# Allegro board fscvmotherboardv2.brd (continued)
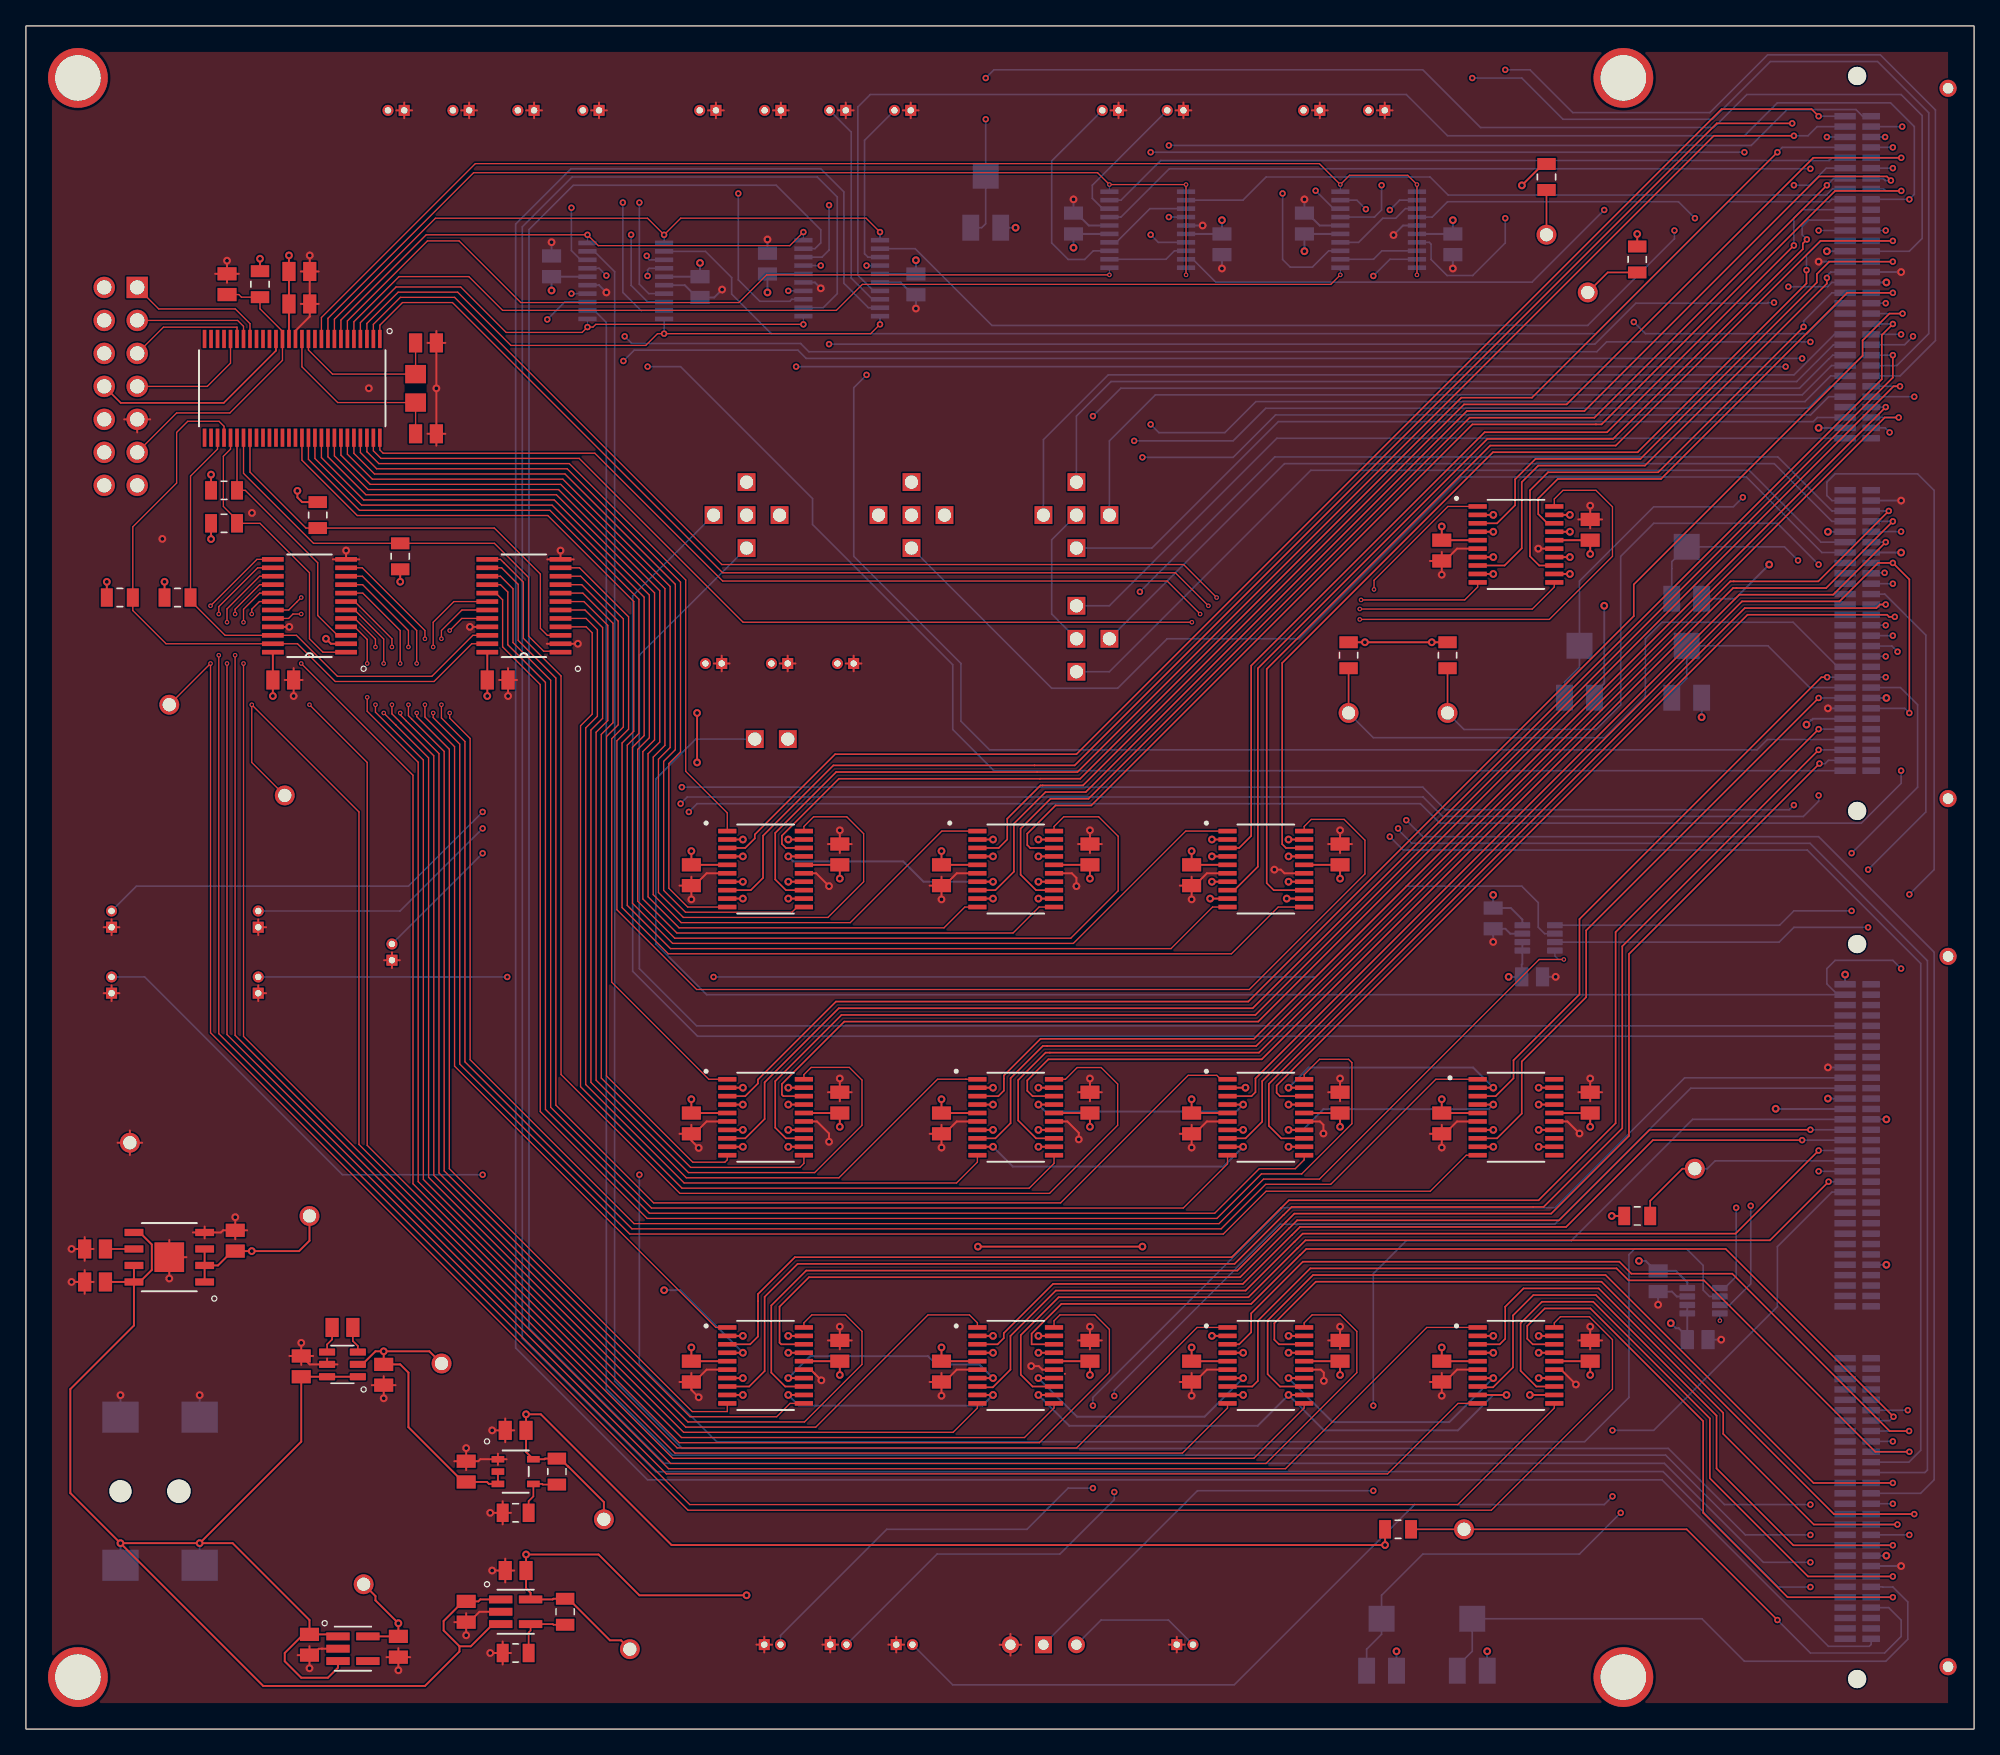
[diagram p0: board, top side]
## Routing (per net, layer and track width the routed paths; a pad name or vN(x,y) marks a point on that pad's centre or on a via; arc(x,y) is an arc through that point) (continued)
VDD_12: length 73.9
  TOP w0.127: v3(137.1,112.35) 137.1,111.33 124.1,98.32 112.96,98.32 96.73,82.1 96.73,68.14 97.02,67.85 U12.18
  BOTTOM w0.127: v3(137.1,112.35) 137.1,113.5 138.19,114.6 J1.13
VDD_34: length 49.3
  TOP w0.127: U9.8 111.84,26.31 112.96,26.31 114.5,27.85 114.5,31.85 116.07,33.42 120.89,33.42 130.17,24.13 130.17,20.07 136.09,14.15 v3(143.75,14.15)
  BOTTOM w0.127: v3(143.75,14.15) J1.231
VDD_56: length 116.2
  TOP w0.127: U17.3 55.76,29.63 56.36,30.23 56.36,32.95 56.36,33.49 59.2,36.34 92.85,36.34 96.61,40.1 96.62,40.1 97.24,40.72 116.47,40.72 122.4,46.65 122.4,61.37 v3(138.03,77)
  BOTTOM w0.127: v3(138.03,77) J1.56
VDD_78: length 38.3
  TOP w0.127: U19.18 117.16,92.85 116.44,93.56 116.44,94.76 117.95,96.27 125.89,96.27 140.23,110.6 v3(143.75,110.6)
  BOTTOM w0.127: v3(143.75,110.6) J1.78
VDD_D: length 88.3
  TOP w0.127: v3(145.02,78.25) 145.02,88.53 v3(143.75,89.8) 142.6,89.8 139.64,86.84 132.13,86.84 95.19,49.89 95.19,46.77 93.9,45.49 U21.8
  BOTTOM w0.127: v3(145.02,78.25) 144.66,78.6 J1.114 ; v3(143.75,89.8) J1.100
VDD_IT: length 172.9
  POWER w0.127: v3(145.02,64.28) 144.38,63.64 v3(144.38,58.56)
  BOTTOM w0.127: v3(144.38,58.56) 143.75,59.2 139.31,59.2 138.67,58.56 138.67,57.38 139.5,56.55 ; J1.34 139.06,94.6 138.67,94.99 138.67,96.03 139.31,96.66 145.66,96.66 146.93,95.39 146.93,66.18 v3(145.02,64.28) ; 139.5,56.55 J1.122 ; 139.5,56.55 52.41,56.55 48.5,60.47 48.5,73.17 51.57,76.23 VDD_IT1.TP
CH_A_SEL: length 49.5
  TOP w0.1: v3(65.76,115.28) 64.69,116.35 50.42,116.35 v3(49.13,115.07) 47.86,116.34 31.53,116.34 23.75,108.57 U1.8
  BOTTOM w0.127: U20.1 v3(49.13,115.07) ; U18.1 v3(65.76,115.28)
CH_AB_COND_SEL: length 66
  TOP w0.1: U1.6 24.75,108.44 30.91,114.6 33.35,114.6 38.1,109.85 54.9,109.85 57.03,111.98 v1(83.42,111.98)
  BOTTOM w0.1: 83.42,112.53 v1(83.42,111.98)
CH_AB_SEL: length 81.3
  TOP w0.1: U1.9 23.25,108.63 34.47,119.85 82.51,119.85 v1(83.42,118.94) v1(89.33,118.94) v1(89.33,111.98)
  BOTTOM w0.1: U22.11 v1(89.33,118.94) ; 89.33,112.53 v1(89.33,111.98) ; U22.10 v1(83.42,118.94)
CH_B_SEL: length 45.8
  TOP w0.1: v3(65.76,108.17) 65.04,107.46 v3(49.13,107.46) 48.63,107.46 47.72,106.55 37.34,106.55 33.24,110.65 28.66,110.65 26.25,108.24 U1.3
  BOTTOM w0.127: U18.10 v3(65.76,108.17) ; U20.10 v3(49.13,107.46)
CH_C_SEL: length 41.8
  TOP w0.1: v3(59.86,115.28) 58.82,114.23 44.07,114.23 v3(43.23,115.07) 30.81,115.07 24.25,108.5 U1.7
  BOTTOM w0.1: v3(43.23,115.07) U20.20 ; v3(59.86,115.28) U18.20
CH_CD_COND_SEL: length 81.5
  TOP w0.1: v1(101.2,111.98) 100.47,111.25 64.4,111.25 62.4,109.25 36.7,109.25 34.1,111.85 28.73,111.85 25.25,108.37 U1.5
  BOTTOM w0.1: 101.2,112.53 v1(101.2,111.98)
CH_CD_SEL: length 100.8
  TOP w0.1: U1.10 22.75,108.7 34.6,120.55 99.59,120.55 v1(101.2,118.94) 101.92,119.65 106.39,119.65 v1(107.11,118.94) v1(107.11,111.98)
  BOTTOM w0.1: 107.11,112.53 v1(107.11,111.98) ; U23.10 v1(101.2,118.94) ; U23.11 v1(107.11,118.94)
CH_D_SEL: length 39.5
  TOP w0.1: v3(59.86,108.17) 43.87,108.17 43.66,107.96 v3(43.23,107.96) 42.82,107.55 36.97,107.55 33.47,111.05 28.49,111.05 25.75,108.31 U1.4
  BOTTOM w0.1: U20.11 v3(43.23,107.96) ; U18.11 v3(59.86,108.17)
CH_EN_1: length 79.2
  TOP w0.127: U12.8 93.04,64.6 94.86,66.41 94.86,81.68 112.53,99.35 122.2,99.35 136.82,113.97 136.82,114.4 v3(137.13,114.71)
  BOTTOM w0.127: v3(137.13,114.71) 136.76,115.08 136.76,115.71 137.26,116.2 J1.11
CH_EN_1_SEL: length 104.4
  TOP w0.1: U12.10 91.37,63.3 88.17,60.1 49.62,60.1 46.3,63.42 46.3,75.77 47.2,76.67 47.2,87 40.35,93.85 25.68,93.85 21.75,97.78 U1.45
CH_EN_2: length 110
  TOP w0.127: v3(138.03,124.2) 137.49,124.75 130.56,124.75 80.89,75.07 62.3,75.07 56.12,68.89 56.12,68.59 55.38,67.85 U16.3
  BOTTOM w0.127: v3(138.03,124.2) J1.1
CH_EN_2_SEL: length 50.4
  TOP w0.1: U16.1 54,70.55 50.8,73.75 50.8,88.49 41.84,97.45 27.17,97.45 26.25,98.37 U1.54
CH_EN_3: length 46.1
  TOP w0.127: U9.3 113.48,29.63 113.9,30.05 113.9,32.52 115.31,33.93 121.1,33.93 130.69,24.35 130.69,22.73 137.66,15.75 v3(144.1,15.75)
  BOTTOM w0.127: v3(144.1,15.75) J1.229
CH_EN_3_SEL: length 150.5
  TOP w0.1: U9.1 107.86,30.93 96.98,20.05 49.48,20.05 16.1,53.42 v1(16.1,82.69) ; U6.16 18,88.12 16.1,86.23 v1(16.1,85.87)
  POWER w0.1: v1(16.1,85.87) v1(16.1,82.69)
CH_EN_4: length 78.8
  TOP w0.127: U24.18 77.43,29.63 77.43,30.45 79.73,32.74 94.34,32.74 98.11,36.5 98.11,36.5 98.58,36.97 130.88,36.97 v3(143.8,24.05)
  BOTTOM w0.127: J1.219 143.5,23.75 v3(143.8,24.05)
CH_EN_4_SEL: length 117.9
  TOP w0.1: U6.4 25.31,84.88 26.28,83.91 v1(26.28,82.06) ; v1(26.28,79.45) 26.28,78.38 30.2,74.45 30.2,42.16 50.31,22.05 78.03,22.05 83.42,27.45 83.42,30.78 82.31,31.89 79.62,31.89 79.16,31.44 U24.20
  POWER w0.1: v1(26.28,82.06) v1(26.28,79.45)
CH_EN_5: length 117.9
  TOP w0.127: v3(138.03,75.4) 122.92,60.28 122.92,46.27 116.86,40.21 116.06,40.21 97.45,40.21 96.84,39.59 96.83,39.59 93.06,35.82 59.42,35.82 56.88,33.28 56.88,27.57 55.69,26.38 U17.8
  BOTTOM w0.127: v3(138.03,75.4) J1.58
CH_EN_5_SEL: length 79.4
  TOP w0.1: U6.10 25.91,88.78 30.08,84.6 v1(30.08,82.06) ; U17.10 54,24.45 51.3,24.45 32.6,43.15 32.6,75.45 30.08,77.97 v1(30.08,78.25)
  POWER w0.1: v1(30.08,82.06) v1(30.08,78.25)
CH_EN_6: length 93.2
  TOP w0.127: U13.18 77.33,67.85 77.1,68.08 77.1,68.95 79.28,71.13 82.03,71.13 111.37,100.47 120.89,100.47 121.32,100.47 139.3,118.45 v3(144.4,118.45)
  BOTTOM w0.127: J1.68 143.05,118.6 143.2,118.45 v3(144.4,118.45)
CH_EN_6_SEL: length 105.2
  TOP w0.1: U13.20 79.16,69.5 79.91,70.25 82.6,70.25 84.1,68.75 84.1,64.55 80.45,60.9 49.96,60.9 47.1,63.76 47.1,75.44 48,76.34 48,87.33 40.68,94.65 26.01,94.65 22.75,97.91 U1.47
CH_EN_7: length 120.2
  TOP w0.127: v3(144.5,109) 143.48,109 141.42,106.94 141.42,105.76 123.8,88.14 123.8,85.7 94.12,56.02 62.37,56.02 56.36,50.01 56.36,49.72 55.38,48.74 U15.3
  BOTTOM w0.127: v3(144.5,109) J1.80
CH_EN_7_SEL: length 46.5
  TOP w0.1: U4.10 42.71,88.78 46,85.48 46,77.16 45.1,76.26 45.1,57.52 52.58,50.04 U15.1
CH_EN_8: length 98.1
  TOP w0.127: U14.8 74.64,45.49 75.81,46.66 75.81,50.12 78.3,52.6 78.63,52.6 78.63,52.6 94.73,52.6 143.13,101 v3(144.2,101)
  BOTTOM w0.127: v3(144.2,101) J1.90
CH_EN_8_SEL: length 73.1
  TOP w0.1: U14.10 73.26,43.66 71.65,42.05 50.68,42.05 43.1,49.63 43.1,77.09 44,77.99 44,84.65 43.12,85.53 U4.5
CH_EN_D: length 93
  TOP w0.127: U14.13 77.78,45.49 76.4,46.86 76.4,49.98 78.51,52.09 78.84,52.09 78.84,52.09 94.94,52.09 131.23,88.38 131.5,88.38 138.01,88.38 v3(143.43,93.8)
  BOTTOM w0.127: v3(143.43,93.8) 143.43,93.8 J1.95
CH_EN_D_SEL: length 79.1
  TOP w0.1: U4.4 43.14,84.88 43.6,84.42 43.6,78.16 42.7,77.26 42.7,49.47 50.52,41.65 77.25,41.65 79.16,43.56 U14.11
CH_OUT_A: length 13.3
  BOTTOM w0.127: U18.3 64.83,113.35 64.57,113.61 64.57,122.34 J5.1
CH_OUT_B: length 16.5
  BOTTOM w0.127: J9.1 63.54,122.98 63.54,111.74 65.18,110.1 U18.8
CH_OUT_C: length 15
  POWER w0.127: v3(61.84,117.35) 61.84,119.69 J13.1
  BOTTOM w0.127: U18.18 61.3,113.35 61.84,113.89 v3(61.84,117.35)
CH_OUT_D: length 20
  POWER w0.127: v3(54.85,118.25) 54.85,121.68 J17.1
  BOTTOM w0.127: U18.13 58.97,110.1 58.82,109.95 56.5,109.95 54.85,111.6 v3(54.85,118.25)
CH_OUTPUT_1: length 80.2
  POWER w0.127: v3(126.93,115.4) v3(138.03,115.4)
  BOTTOM w0.127: v3(126.93,115.4) 126.93,114.77 120.25,108.09 74.38,108.09 68.47,114 U18.2 ; v3(138.03,115.4) J1.12
CH_OUTPUT_2: length 239.3
  BOTTOM w0.127: J1.240 142.07,6.51 141.93,6.37 138.79,6.37 125.97,19.19 47.86,19.19 37.7,29.35 37.7,115.89 41.97,120.16 61.2,120.16 62.98,118.37 62.98,111.33 64.87,109.45 U18.9
CH_OUTPUT_3: length 231
  POWER w0.127: v3(145.02,14.95) 145.02,14.11 143.12,12.21 138.03,12.21 v3(137.4,12.84)
  BOTTOM w0.127: v3(137.4,12.84) 133.77,12.84 126.15,20.46 49.13,20.46 38.73,30.86 38.73,115.47 42.15,118.89 57.77,118.89 61.2,115.45 61.2,114.45 60.75,114 U18.19 ; J1.230 v3(145.02,14.95)
CH_OUTPUT_4: length 254.2
  POWER w0.127: v3(137.4,10.94) 143.75,10.94 146.29,13.48 146.29,23.3 145.04,24.55 v3(144.9,24.55)
  BOTTOM w0.127: U18.12 61.38,109.45 62.47,110.54 62.47,117.98 60.93,119.52 42.06,119.52 38.22,115.68 38.22,30.11 48.5,19.83 126.06,19.83 134.95,10.94 v3(137.4,10.94) ; v3(144.9,24.55) J1.218
CH_OUTPUT_5: length 109.3
  POWER w0.127: v3(64.73,104.28) v3(64.73,112.7)
  BOTTOM w0.127: v3(64.73,112.7) U18.4 ; v3(64.73,104.28) 63.74,103.29 63.74,90.31 72,82.06 72,77.61 74.2,75.4 133.29,75.4 134.09,76.2 J1.57
CH_OUTPUT_6: length 108.7
  BOTTOM w0.127: U18.7 65.26,110.75 64.06,111.96 64.06,124.92 65.01,125.87 106.28,125.87 109.46,122.7 132.32,122.7 134.85,125.23 143.57,125.23 145.4,123.4 145.4,118.18 v3(145.02,117.8) J1.69
CH_OUTPUT_7: length 91.5
  POWER w0.127: v3(61.84,106.65) 61.84,112.06 v3(61.2,112.7) ; v3(134.6,109.85) 135.04,109.85 135.09,109.8 v3(143.2,109.8)
  BOTTOM w0.127: J1.79 v3(143.2,109.8) ; v3(134.6,109.85) 134.16,109.85 134.11,109.8 123.96,109.8 120.81,106.65 v3(61.84,106.65) ; v3(61.2,112.7) U18.17
CH_OUTPUT_8: length 95.1
  POWER w0.127: v3(135.5,104.92) 140.21,100.2 143.15,100.2 v3(143.5,99.85) ; v3(59.3,104.92) 58.7,105.52 v3(58.7,110.75)
  BOTTOM w0.127: v3(59.3,104.92) v3(135.5,104.92) ; U18.14 v3(58.7,110.75) ; v3(143.5,99.85) 143.15,100.2 J1.91
CM: length 88.3
  POWER w0.127: v3(103.75,18.35) v3(103.75,24.91)
  BOTTOM w0.127: v3(103.75,18.35) 90.2,18.35 SW1.1 ; J1.134 128.33,46.95 118.98,37.61 106.28,37.61 103.75,35.07 v3(103.75,24.91)
CM_EXT: length 10.5
  BOTTOM w0.127: J22.1 87.96,8.4 82.79,8.4 SW1.2
COND_EN_1: length 90.8
  TOP w0.127: v3(138.67,118.89) 120.77,100.98 111.16,100.98 81.82,71.64 78.89,71.64 76.59,69.34 76.59,65.79 77.78,64.6 U13.13
  BOTTOM w0.127: J1.7 139.19,119.4 v3(138.67,118.89)
COND_EN_1_SEL: length 88.5
  TOP w0.1: U1.48 23.25,97.97 26.17,95.05 40.84,95.05 48.4,87.49 48.4,76.17 47.5,75.27 47.5,63.92 50.12,61.3 76,61.3 78,63.3 U13.11
COND_EN_2: length 106.3
  TOP w0.127: U16.18 58.52,67.85 58.21,68.16 58.21,68.79 62.6,73.18 78.08,73.18 81.18,73.18 110.52,102.53 115.96,102.53 v3(134.86,121.43)
  BOTTOM w0.127: J1.4 135.24,121.8 v3(134.86,121.43)
COND_EN_2_SEL: length 81.5
  TOP w0.1: U16.20 59.9,69.5 60.65,70.25 63.2,70.25 64.5,68.95 64.5,65.25 61.75,62.5 50.62,62.5 48.7,64.42 48.7,74.68 49.6,75.58 49.6,87.99 41.34,96.25 26.67,96.25 24.75,98.17 U1.51
COND_EN_3: length 65.2
  TOP w0.127: v3(143.75,18.95) 137.64,18.95 121.63,34.96 99.1,34.96 95.61,31.46 95.61,27.33 96.56,26.38 U11.13
  BOTTOM w0.127: v3(143.75,18.95) J1.225
COND_EN_3_SEL: length 139.3
  TOP w0.1: U11.11 98.42,24.72 94.55,20.85 49.81,20.85 25.64,45.02 25.64,70.62 v1(17.39,78.88) 17.39,74.44 TP2.TP ; v1(17.39,85.87) 17.39,86.23 17.97,86.83 U6.18
  POWER w0.1: v1(17.39,78.88) v1(17.39,85.87)
COND_EN_4: length 67.8
  TOP w0.127: U11.8 94.42,26.38 94.86,26.81 94.86,31.44 98.89,35.47 122.48,35.47 123.4,34.55 129.2,34.55 142.4,21.35 v3(145.02,21.35)
  BOTTOM w0.127: v3(145.02,21.35) J1.222
COND_EN_4_SEL: length 124.7
  TOP w0.1: v1(21.19,87.14) 20.84,86.78 20.23,86.18 U6.19 ; v1(21.83,78.88) 26.28,74.44 26.28,44.95 49.98,21.25 89.05,21.25 92.52,24.72 U11.10
  POWER w0.1: v1(21.19,87.14) 21.83,86.5 v1(21.83,78.88)
COND_EN_5: length 119.3
  TOP w0.127: U16.8 55.81,64.6 56.76,65.55 56.76,68.79 62.17,74.21 77.65,74.21 80.75,74.21 130.19,123.65 v3(136,123.65)
  POWER w0.127: v3(136,123.65) 136.44,123.65 136.69,123.4 v3(144.47,123.4)
  BOTTOM w0.127: J1.62 v3(144.47,123.4)
COND_EN_5_SEL: length 59
  TOP w0.1: U16.10 50.95,63.3 49.5,64.75 49.5,74.35 50.4,75.25 50.4,88.32 41.67,97.05 27,97.05 25.75,98.3 U1.53
COND_EN_6: length 96.4
  TOP w0.127: U13.3 74.9,67.85 75.56,68.51 75.56,70.11 78.12,72.67 78.29,72.67 81.39,72.67 110.73,102.01 118.63,102.01 137.62,121 v3(144.4,121)
  BOTTOM w0.127: v3(144.4,121) J1.65
COND_EN_6_SEL: length 83.3
  TOP w0.1: U13.1 70.52,69.15 63.47,62.1 50.45,62.1 48.3,64.25 48.3,74.85 49.2,75.75 49.2,87.82 41.17,95.85 26.51,95.85 24.25,98.11 U1.50
COND_EN_7: length 118
  TOP w0.127: v3(143.75,105.8) 143.75,104.07 94.67,54.99 62.8,54.99 57.69,49.89 57.69,46.31 58.52,45.49 U15.13
  BOTTOM w0.127: v3(143.75,105.8) J1.84
COND_EN_7_SEL: length 59.6
  TOP w0.1: U4.8 42.88,87.48 45.2,85.15 45.2,77.5 44.3,76.6 44.3,50.13 51.18,43.25 59.59,43.25 59.9,43.56 U15.11
COND_EN_8: length 113.1
  TOP w0.127: v3(144.3,103.4) 143.8,103.4 94.88,54.48 63.01,54.48 58.21,49.68 58.21,48.85 58.32,48.74 U15.18
  BOTTOM w0.127: v3(144.3,103.4) J1.87
COND_EN_8_SEL: length 73.7
  TOP w0.1: U15.20 59.9,50.39 60.46,50.95 63.4,50.95 64.38,49.98 64.38,46.5 60.73,42.85 51.01,42.85 43.9,49.96 43.9,76.76 44.8,77.66 44.8,84.99 42.96,86.83 U4.7
COND_EN_D: length 67.4
  TOP w0.127: v3(143.9,85.65) 143.46,85.65 143.3,85.81 132.56,85.81 96.3,49.55 96.3,49 96.56,48.74 U21.18
  BOTTOM w0.127: J1.105 143.31,85.8 143.46,85.65 v3(143.9,85.65)
COND_EN_D_SEL: length 120.3
  TOP w0.1: U21.20 98.42,50.39 99.6,51.58 101.84,51.58 102.1,51.32 102.1,46.62 98.23,42.75 95.13,42.75 91.7,39.32 47.83,39.32 39.6,47.55 39.6,80.44 36.7,83.34 36.7,86.96 36.18,87.48 U4.17
EN_12_SEL: length 102.1
  TOP w0.1: 41.16,89.43 42.62,89.43 46.4,85.65 46.4,77 45.5,76.1 45.5,63.09 51.64,56.95 94.2,56.95 103.1,65.85 103.1,68.45 101.5,70.05 98.97,70.05 98.42,69.5 U12.20
EN_34_SEL: length 149.9
  TOP w0.1: U9.10 110.27,25.08 104.84,19.65 49.31,19.65 15.48,53.48 v1(15.48,82.06) ; U6.15 18,88.78 15.48,86.26 v1(15.48,85.23)
  POWER w0.1: v1(15.48,82.06) v1(15.48,85.23)
EN_56_SEL: length 71.9
  TOP w0.1: v1(30.72,78.88) 30.72,77.93 33,75.65 33,51.05 53.12,30.93 U17.1 ; v1(30.72,83.96) 30.72,84.59 25.89,89.43 24.65,89.43
  POWER w0.1: v1(30.72,83.96) v1(30.72,78.88)
EN_78_SEL: length 113.7
  TOP w0.1: U1.55 26.75,98.43 27.33,97.85 42.6,97.85 55.22,85.23 v1(89.78,85.23) ; U19.20 117.68,94.72 118.35,95.39 120.89,95.39 122.16,94.12 122.16,90.31 117.3,85.45 v1(102.7,85.45)
  POWER w0.1: v1(89.78,85.23) 102.13,85.23 102.35,85.45 v1(102.7,85.45)
EN_D_SEL: length 100.9
  TOP w0.1: U4.15 36.54,88.78 37.5,87.81 37.5,83.67 40.4,80.77 40.4,47.88 48.16,40.12 89.11,40.12 92.52,43.53 U21.10
HP_BYPASS_EN_1: length 76.8
  TOP w0.127: U12.3 93.41,67.85 94.34,68.78 94.34,81.89 112.32,99.87 121.75,99.87 v3(136.13,114.25)
  BOTTOM w0.127: J1.10 136.78,117 136.13,116.34 v3(136.13,114.25)
HP_BYPASS_EN_1_SEL: length 106
  TOP w0.1: U1.46 22.25,97.84 25.84,94.25 40.51,94.25 47.6,87.16 47.6,76.5 46.7,75.6 46.7,63.59 49.79,60.5 80.65,60.5 89.3,69.15 U12.1
HP_BYPASS_EN_2: length 111
  TOP w0.127: v3(136.13,122.7) 129.96,122.7 80.96,73.7 77.86,73.7 62.38,73.7 57.69,69.01 57.69,65.42 58.52,64.6 U16.13
  BOTTOM w0.127: v3(136.13,122.7) 137.22,122.7 137.92,123.4 J1.2
HP_BYPASS_EN_2_SEL: length 65.7
  TOP w0.1: U1.52 25.25,98.24 26.84,96.65 41.51,96.65 50,88.16 50,75.42 49.1,74.52 49.1,64.58 50.78,62.9 58.98,62.9 59.38,63.3 U16.11
HP_BYPASS_EN_3: length 65
  TOP w0.127: U11.18 96.48,29.63 96.12,29.98 96.12,31.26 99.32,34.45 121.31,34.45 139.21,16.55 v3(145.4,16.55)
  BOTTOM w0.127: v3(145.4,16.55) J1.228
HP_BYPASS_EN_3_SEL: length 146.3
  TOP w0.1: v1(16.75,85.23) 16.75,86.23 18,87.48 U6.17 ; v1(16.75,82.06) 16.75,53.34 49.64,20.45 95.48,20.45 102.47,27.45 102.47,30.62 101.2,31.89 99.03,31.89 98.42,31.28 U11.20
  POWER w0.1: v1(16.75,82.06) v1(16.75,85.23)
HP_BYPASS_EN_4: length 64.3
  TOP w0.127: U11.3 93.41,29.63 94.34,30.55 94.34,32.01 98.32,35.99 122.69,35.99 123.61,35.07 131.38,35.07 143.5,22.95 v3(145,22.95)
  BOTTOM w0.127: v3(145,22.95) J1.220
HP_BYPASS_EN_4_SEL: length 124.8
  TOP w0.1: v1(21.19,82.06) 29.8,73.45 29.8,41.99 50.14,21.65 80.9,21.65 90.18,30.93 U11.1 ; v1(21.19,85.87) 20.56,85.87 20.22,85.53 U6.20
  POWER w0.1: v1(21.19,85.87) v1(21.19,82.06)
HP_BYPASS_EN_5: length 116.4
  TOP w0.127: U17.13 58.46,26.38 57.39,27.45 57.39,32.62 60.08,35.31 93.28,35.31 97.04,39.07 97.05,39.07 97.67,39.69 117.44,39.69 123.43,45.68 123.43,59.68 v3(138.1,74.35)
  BOTTOM w0.127: v3(138.1,74.35) 138.54,74.35 138.79,74.6 J1.59
HP_BYPASS_EN_5_SEL: length 85
  TOP w0.1: U17.11 58.83,25.08 57.8,24.05 51.14,24.05 32.2,42.98 32.2,75.28 29.69,77.8 29.69,77.8 29.45,78.04 v1(29.45,78.88) ; U6.9 25.92,88.12 29.45,84.59 v1(29.45,83.33)
  POWER w0.1: v1(29.45,83.33) v1(29.45,78.88)
HP_BYPASS_EN_6: length 97
  TOP w0.127: U13.8 74.64,64.6 76.07,66.03 76.07,69.72 78.5,72.15 81.6,72.15 110.95,101.5 120,101.5 138.06,119.56 143.29,119.56 v3(143.6,119.25)
  BOTTOM w0.127: v3(143.6,119.25) 143.16,119.25 143.01,119.4 J1.67
HP_BYPASS_EN_6_SEL: length 81.7
  TOP w0.1: U1.49 23.75,98.04 26.34,95.45 41.01,95.45 48.8,87.66 48.8,76.01 47.9,75.11 47.9,64.09 50.29,61.7 70.69,61.7 72.29,63.3 U13.10
HP_BYPASS_EN_7: length 121
  TOP w0.127: v3(143.75,108.2) 142.9,107.35 142.9,103.95 94.46,55.51 62.58,55.51 56.88,49.8 56.88,46.98 55.38,45.49 U15.8
  BOTTOM w0.127: v3(143.75,108.2) J1.81
HP_BYPASS_EN_7_SEL: length 53.5
  TOP w0.1: U4.9 42.79,88.12 45.6,85.32 45.6,77.33 44.7,76.43 44.7,50.3 51.34,43.65 53.82,43.65 54,43.83 U15.10
HP_BYPASS_EN_8: length 93.7
  TOP w0.127: v3(143.2,101.8) 94.55,53.15 78.12,53.15 75.3,50.33 75.3,50.08 75.3,49.16 74.87,48.74 U14.3
  BOTTOM w0.127: J1.89 v3(143.2,101.8)
HP_BYPASS_EN_8_SEL: length 75.1
  TOP w0.1: U4.6 43.05,86.18 44.4,84.82 44.4,77.83 43.5,76.93 43.5,49.8 50.85,42.45 62.6,42.45 70.19,50.04 72.38,50.04 72.38,50.04 U14.1
HP_BYPASS_EN_D: length 89.2
  TOP w0.127: v3(143.75,93) 138.62,87.87 131.71,87.87 131.45,87.87 95.16,51.57 78.72,51.57 77.1,49.95 77.1,49.15 77.51,48.74 U14.18
  BOTTOM w0.127: v3(143.75,93) J1.96
HP_BYPASS_EN_D_SEL: length 100.4
  TOP w0.1: U14.20 80.04,50.04 80.94,50.94 82.79,50.94 84.06,49.67 84.06,46.5 78.81,41.25 50.35,41.25 41.2,50.4 41.2,81.1 38.3,84 38.3,88.32 36.79,89.83 36.79,89.83 36.54,90.08 U4.13
HPF_OUT_BUF: length 135
  POWER w0.127: v3(51.04,70.62) 47.86,67.44 v3(35.17,67.44) ; v3(144.38,73.8) 145.66,75.07 145.66,80.15 v3(143.2,82.6)
  BOTTOM w0.127: v3(51.04,70.62) 51.67,71.26 107.37,71.26 108.87,69.76 141.32,69.76 144.38,72.83 v3(144.38,73.8) ; J20.1 v3(35.17,67.44) ; J1.109 v3(143.2,82.6)
IBX_PR: length 17.4
  TOP w0.127: IBX_PR.TP 127.54,43.15 125.06,40.67 R14.1
  BOTTOM w0.127: IBX_PR.TP 129.46,43.15 130.06,43.75 J1.138
IIN_PR: length 99.6
  POWER w0.127: v3(83.8,18.25) v3(83.8,25.65)
  BOTTOM w0.127: v3(83.8,25.65) 83.8,26.09 96.58,38.88 117.72,38.88 128.19,49.35 J1.131 ; J23.1 70.15,13.48 79.62,13.48 83.8,17.66 v3(83.8,18.25)
INT1: length 35.5
  TOP w0.1: 41.16,82.93 41.08,83 39.86,83 38.7,84.16 38.7,88.68 36.07,91.31 R2.1 22.14,91.31 16.75,96.7 U1.35
INT2: length 22.7
  TOP w0.1: 24.65,82.93 22.86,82.93 21.83,83.96 21.83,89.04 18.02,92.85 R6.1 16.25,93.1 15.2,94.15 15.2,98.02 15.75,98.56 U1.33
IREF_EN_12: length 41
  TOP w0.127: v3(138.67,111.75) 138.67,111.31 124.66,97.3 116.44,97.3 115.17,96.03 115.17,90.93 113.85,89.6 U19.8
  BOTTOM w0.127: v3(138.67,111.75) 138.67,111.9 138.97,112.2 J1.16
IREF_EN_12_SEL: length 96.9
  TOP w0.1: v1(91.05,86.5) 88.5,89.04 53.65,89.04 32.84,109.85 28.99,109.85 27.25,108.11 U1.1 ; v1(102.8,86.95) 110.78,86.95 111.78,87.95 U19.10
  POWER w0.1: v1(91.05,86.5) 101.44,86.5 101.89,86.95 v1(102.8,86.95)
IREF_EN_34: length 49.3
  TOP w0.127: U9.13 116.3,26.38 115.09,27.59 115.09,31.26 116.73,32.9 120.68,32.9 129.66,23.92 129.66,19.31 137.22,11.75 v3(143.75,11.75)
  BOTTOM w0.127: v3(143.75,11.75) J1.234
IREF_EN_34_SEL: length 159.6
  TOP w0.1: U9.11 117.68,24.72 110.24,17.29 51.11,17.29 14.84,53.55 v1(14.84,82.69) ; 19.01,89.43 17.84,89.43 14.84,86.43 v1(14.84,85.87)
  POWER w0.1: v1(14.84,82.69) v1(14.84,85.87)
IREF_EN_56: length 47.7
  TOP w0.127: v3(138.03,79.4) 120.13,61.5 120.13,56.37 115.17,51.41 115.17,47.39 113.27,45.49 U10.8
  BOTTOM w0.127: v3(138.03,79.4) J1.53
IREF_EN_56_SEL: length 126
  TOP w0.1: v1(31.36,83.33) 31.36,85.23 32.95,86.83 U4.18 ; v1(31.36,78.25) 31.36,77.89 33.4,75.85 33.4,51.21 46.49,38.12 92.19,38.12 95.49,41.42 108.13,41.42 110.9,44.19 U10.10
  POWER w0.1: v1(31.36,78.25) v1(31.36,83.33)
IREF_EN_78: length 43.5
  TOP w0.127: U19.3 113.27,92.85 114.66,94.24 114.66,96.24 116.23,97.81 124.31,97.81 137.9,111.4 137.9,112.05 138.85,113 v3(143.75,113)
  BOTTOM w0.127: v3(143.75,113) J1.75
IREF_EN_78_SEL: length 99.9
  TOP w0.1: U19.1 109.49,94.15 103.8,88.46 v1(103.8,87.76) ; v1(91.68,87.14) 89.14,89.68 53.58,89.68 33,110.25 28.83,110.25 26.75,108.17 U1.2
  POWER w0.1: v1(103.8,87.76) 92.31,87.76 v1(91.68,87.14)
IREF_EN_D: length 70.3
  TOP w0.127: U21.13 96.66,45.49 95.7,46.45 95.7,49.68 132.35,86.32 142.48,86.32 142.76,86.6 v3(143.2,86.6)
  BOTTOM w0.127: J1.104 v3(143.2,86.6)
IREF_EN_D_SEL: length 106.6
  TOP w0.1: U21.11 98.42,43.83 97.74,43.15 94.96,43.15 91.53,39.72 48,39.72 40,47.72 40,80.6 37.1,83.5 37.1,87.56 36.54,88.12 U4.16
IREF_IBX_12: length 26.6
  TOP w0.127: R15.1 121.8,112.17 IREF_IBX_12.TP